# KiCad board Model K Pico-0.2.kicad_pcb (continued)
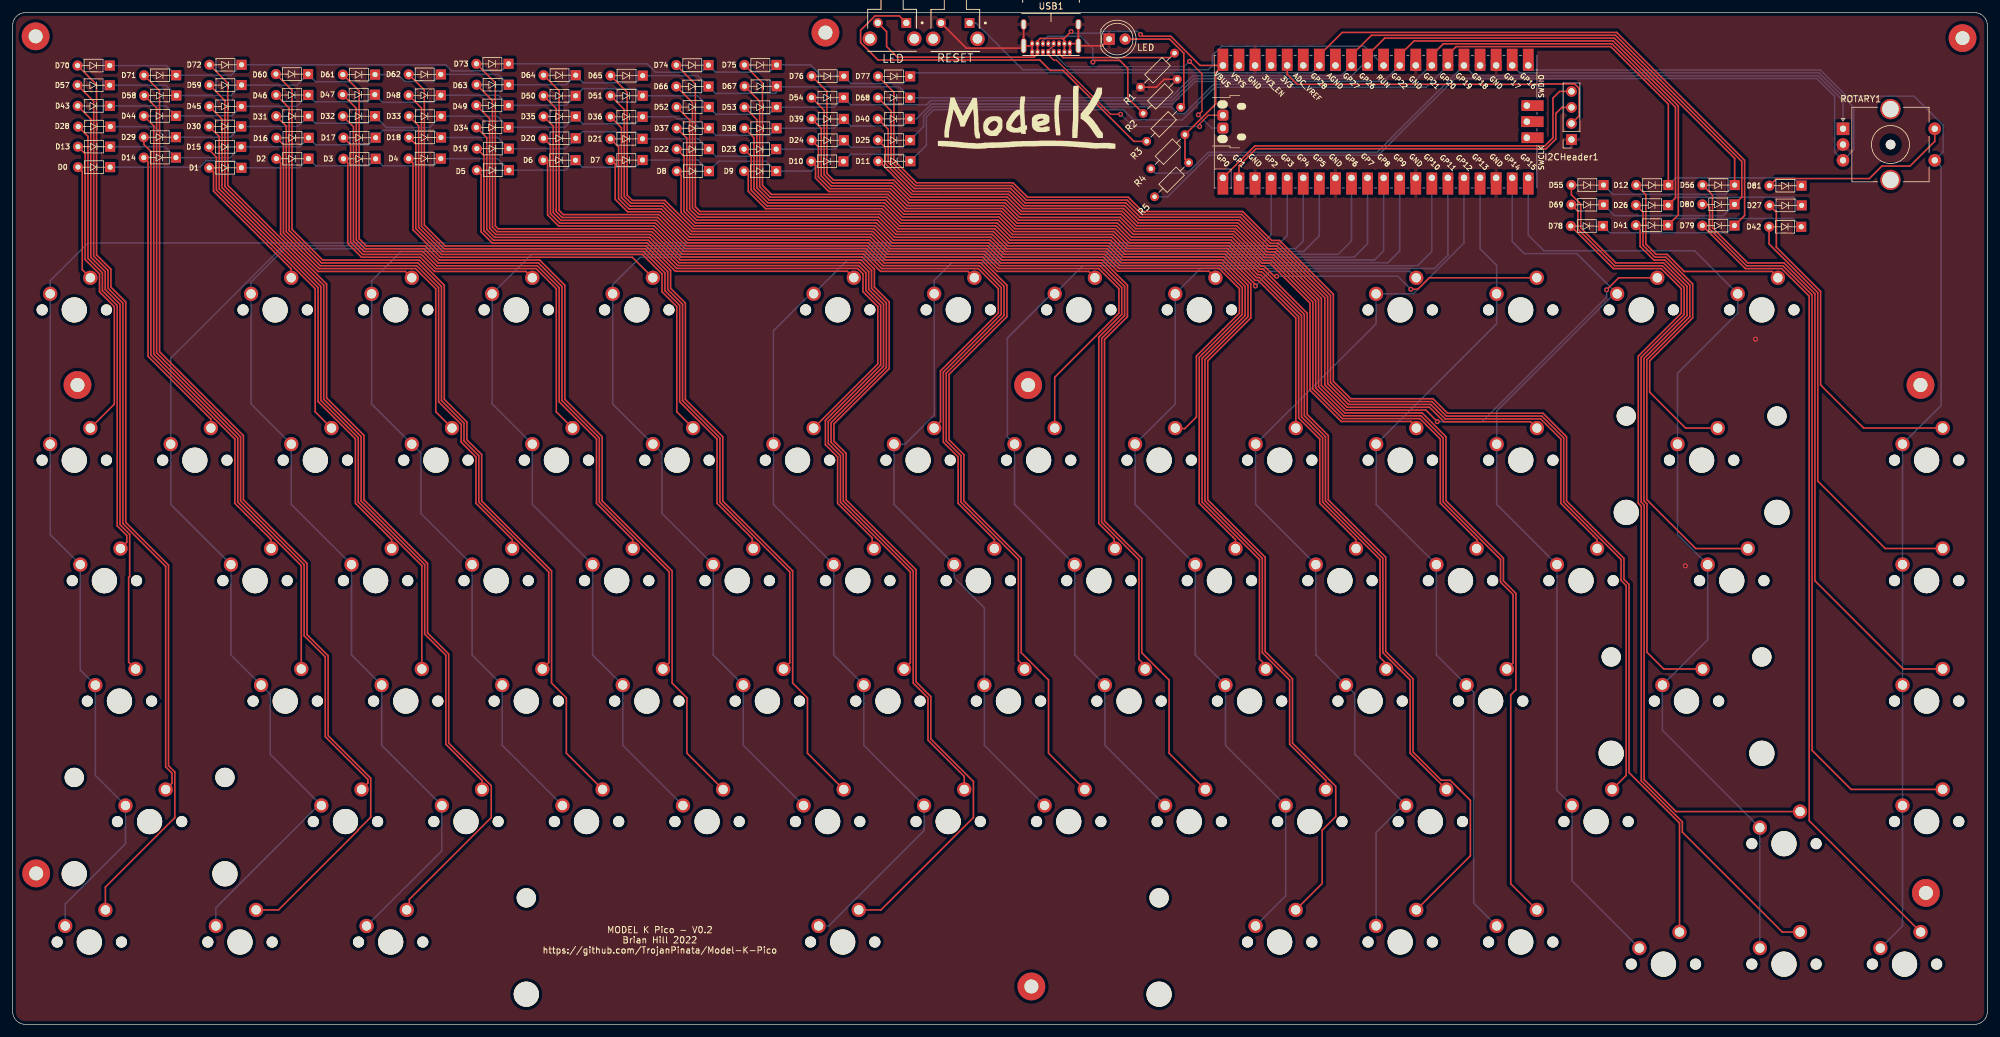
[diagram p0: board, top side]
## Text on the board (continued)
B.Silkscreen: https://github.com/TrojanPinata/Model-K-Pico
F.Silkscreen: MODEL K Pico - V0.2 / Brian Hill 2022 / https://github.com/TrojanPinata/Model-K-Pico
